# Altium PCB WiPy_Eval.PcbDoc (part 1 of 2) (continued)
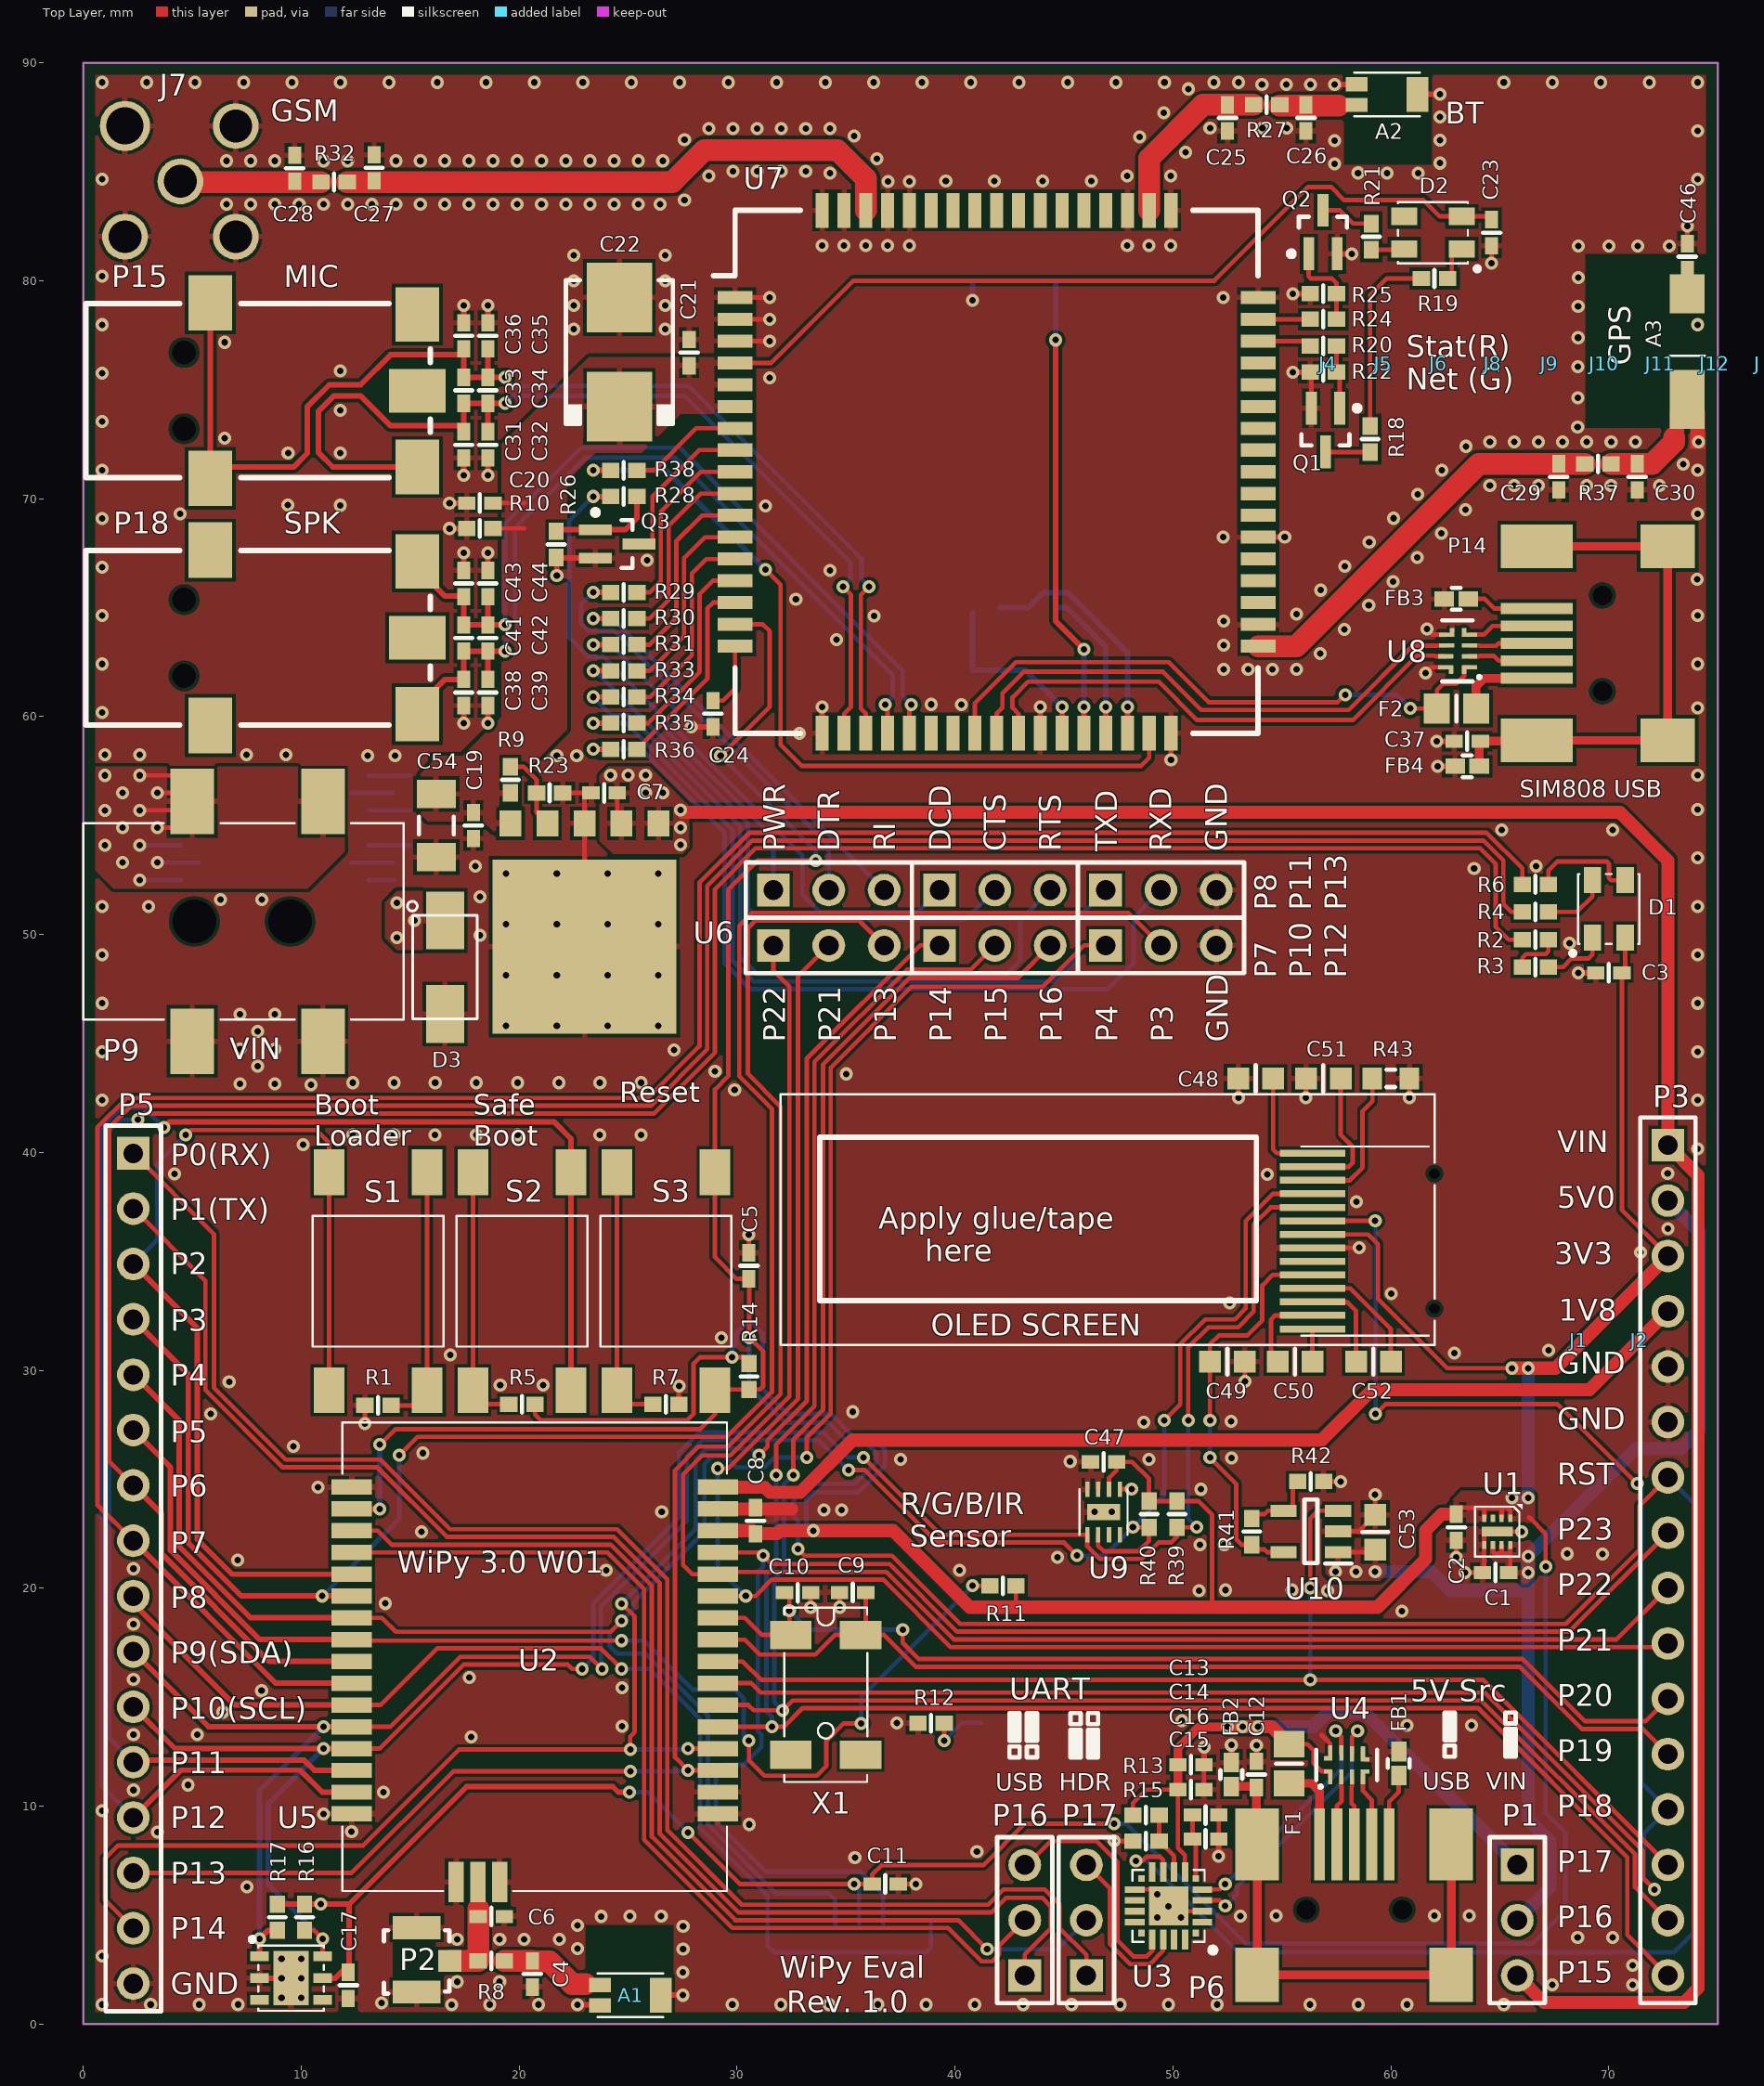
[diagram p0: Top Layer view]
## Components (designator, comment, footprint, x,y, rotation, side; value= is the part's Value field where it differs from the comment) (continued)
U7 "SIM808" SIM808 41.91,71.23 r0 top
U8 "ECMF02-4CMX8" uQFN-8 63.06,63.01 r180 top
U9 "BH1749NUC-E2" WSON-8_Clear 46.82,23.5 r0 top
U10 "AP2127K-ADJTRG1" SOT-23-5 56.33,22.61 r180 top
X1 "32.768 kHz" MC-306 34.071,15.113 r270 top

## Footprints (in the part's own frame and the unit in brackets; to place one, negate y for a bottom-side part, rotate by r counter-clockwise, add the part's x,y. Pads: shape width x height; smd on the part's side, far side on the other; paste and mask are expansions set on the pad)
"5.08 SMA" [mm] "5.08 SMA Standard Footprint"
  round 2.1 hole 1.5: 1(0,0) 3(2.54,-2.54) 4(-2.54,-2.54) 5(-2.54,2.54)
  round 2.3 hole 1.7: 2(2.54,2.54)
  body extent -3.5,-3.5 3.5,11, height 9.9
1301.9319 [mm]
  rect 2.1x1.4 smd: 1(-5,2.25) 1(5,2.25) 2(-5,-2.25) 2(5,-2.25)
  silkscreen extent -3,-3 3,3, body extent -4.5,-3.1 4.5,3.1, height 9.51
2920 [mm] "2920 imperial, 7.4x5.1mm"
  rect 4.3x5.6 smd: 1(-2.7,0)
  rect 4x5.6 smd: 2(2.7,0)
  body extent -3.99,-2.72 3.99,2.72, height 0.4
78000-0001 [mm] "micro SIM card socket"
  rect 0.8x0.9 smd: 1(-6.425,-2.57) 2(-6.425,-1.33) 3(-6.425,1.21) 8(8.515,1.21) 9(8.515,-1.33) 10(8.515,-2.57)
  rect 0.95x1.2 smd: 4(-6.655,5.425) 5(-6.655,-5.425)
  rect 1.4x0.95 smd: 6(6.655,-6.26) 7(6.655,6.26)
  silkscreen extent -8.48,-6.92 8.48,6.93, body extent -8.48,-6.92 8.48,6.93, height 1.3
1140084168 [mm] "Memory Card Connectors Micro SD 8 Pin PCB Gold"
  rect 0.7x1.75 smd: 1(3.2,-9.225) 2(2.1,-9.225) 3(1,-9.225) 4(-0.1,-9.225) 5(-1.2,-9.225) 6(-2.3,-9.225) 7(-3.4,-9.225) 8(-4.5,-9.225)
  rect 1.3x1 smd: 9(-5.715,0)
  rect 1x1.55 smd: 10(5.588,1.524)
  rect 0.8x1.5 smd: MH(-5.975,-1.5)
  rect 1.3x1.5 smd: MH(-5.7,-9.1)
  rect 1.5x1.5 smd: MH(5.65,-9.1)
  rect 0.8x1.4 smd: MH(5.969,-0.889)
  silkscreen extent -5.97,-9.82 5.97,1.78, body extent -6,-13.82 6,1.78, height 1.6
ANT3216_v2 [mm] "RF chip antenna in SMD 3216 metric package"
  rect 2.7x1.6 smd: 1(0,0)
  rect 1.8x1.6 smd: 2(4.85,0)
  silkscreen extent 2,-0.8 2,0.8, body extent 1.05,-0.8 4.25,0.8, height 1.2
CAP_TANT [mm]
  rect 3x3.2 smd: 1(0,0.8) 2(0,5.8)
  silkscreen extent -2.45,0 2.45,6.6, body extent -2.3,-0.4 2.3,7.2, height 3.1
CAPC1005N [mm] "Chip Capacitor, Body 1.0x0.5mm, IPC Medium Density"
  rect 0.8x0.6 smd: 1(-0.6,0) 2(0.6,0)
  silkscreen extent 0,-0.4 0,0.4, body extent -0.5,-0.25 0.5,0.25, height 0.6
CAPC1608N [mm] "Chip Capacitor, Body 1.6x0.8mm, IPC Medium Density"
  rect 1x1 smd: 1(-0.8,0) 2(0.8,0)
  silkscreen extent 0,-0.6 0,0.6, body extent -0.8,-0.4 0.8,0.4, height 0.9
CAPC3216N [mm] "Chip Capacitor, Body 3.2x1.6mm, IPC Medium Density"
  rect 1.3x1.8 smd: 1(-1.45,0) 2(1.45,0)
  silkscreen extent -0.4,-0.8 0.4,0.8, body extent -1.6,-0.8 1.6,0.8, height 1
DFN6 [mm] "vented dfn6 3x3mm"
  rect 1.6x2.5 smd: 0(0,0)
  rect 0.85x0.45 smd: 1(-1.45,1) 2(-1.45,0) 3(-1.45,-1) 4(1.45,-1) 5(1.45,0) 6(1.45,1)
  silkscreen extent -1.88,-1.5 1.5,1.88, body extent -1.5,-1.5 1.5,1.5, height 0.79
DO214 [mm]
  rect 2.65x1.75 smd: 1(-2.15,0) 2(2.15,0)
  silkscreen extent -2.37,-1.48 3.02,1.72, body extent -2.6,-1.36 2.6,1.36, height 2.54
FC68148S [mm] "DC barrel jack SMD"
  rect 3x2 smd: 1(-5.5,11) 1(-5.5,5) 2(5.5,5) 3(5.5,11)
  round 0 hole 2 unplated: ""(0,9.5) ""(0,5.1)
  silkscreen extent -4.5,0 4.5,14.7, body extent -6.28,0 6.28,14.7, height 10.94
HDR1X16 [mm] "Connector; Header; 16 Position"
  rect 1.5x1.5 hole 0.9: 1(0,0)
  round 1.5 hole 0.9: 2(2.54,0) 3(5.08,0) 4(7.62,0) 5(10.16,0) 6(12.7,0) 7(15.24,0) 8(17.78,0) 9(20.32,0) 10(22.86,0) 11(25.4,0) 12(27.94,0) 13(30.48,0) 14(33.02,0) 15(35.56,0) 16(38.1,0)
  silkscreen extent -1.27,-1.27 39.37,1.27, body extent -1.52,-1.27 39.62,1.27, height 8.5
"Header 1x3, Male, 2.54mm, Straight, THT" [mm]
  rect 1.5x1.5 hole 0.9: 1(-2.54,0)
  round 1.5 hole 0.9: 2(0,0) 3(2.54,0)
  silkscreen extent -3.81,-1.27 3.81,1.27, body extent -3.71,-1.25 3.91,1.25, height 9.4
INDC1005N [mm] "Chip Inductor, Body 1.0x0.5mm, IPC Medium Density"
  rect 0.9x0.7 smd: 1(-0.55,0) 2(0.55,0)
  silkscreen extent -0.2,-0.5 0.2,0.5, body extent -0.5,-0.25 0.5,0.25, height 0.6
JACK [mm]
  rect 2x2.6 smd: 1(0,15.2)
  rect 2.5x2 smd: 2(-3.5,15.2) 3(3.5,15.2)
  rect 2.55x2 smd: 4(-4.025,5.7) 4(4.025,5.7)
  round 0 hole 1.1 unplated: ""(-1.75,4.5) ""(1.75,4.5)
  silkscreen extent -4,0 4,15.8, body extent -4.57,-0.13 4.57,16.12, height 6.1
JUMPER-B [mm]
  body extent 22.9,-26.59 27.9,-24.19, height 8.6
MC-306 [mm]
  rect 1.3x1.9 smd: 1(-2.75,-1.6) 2(2.75,-1.6) 3(2.75,1.6) 4(-2.75,1.6)
  silkscreen extent -4,-1.91 4,1.91, body extent -4,-1.9 4,1.9, height 2.54
MUSB-B5-S-RA-TSMT-CS1 [mm] "USB B mini; SMT"
  rect 2.5x2 smd: 0(2.25,4.45) 0(2.25,-4.45)
  rect 3.3x2 smd: 0(8.25,-4.45) 0(8.25,4.45)
  rect 3.3x0.5 smd: 1(8.25,1.6) 2(8.25,0.8) 3(8.25,0) 4(8.25,-0.8) 5(8.25,-1.6)
  round 0 hole 0.9 unplated: 6(5.25,-2.2) 6(5.25,2.2)
  body extent -0.65,-5.35 8.55,5.35, height 3.95
PLCC-4 [mm] "LED; SMD; 3528,PLCC4; RGB; 3,5x2,8x1,9mm; 115°; 20mA; common anode"
  rect 0.8x1.2 smd: 1(-0.75,-1.32) 2(-0.75,1.32) 3(0.75,1.32) 4(0.75,-1.32)
  silkscreen extent -1.75,-2.13 1.4,1.6, body extent -1.4,-1.75 1.4,1.75, height 1.9
QFN-20 [mm]
  rect 0.3x0.3 smd: 1(-1.25,1.25) 6(-1.25,-1.25) 11(1.25,-1.25) 16(1.25,1.25)
  rect 0.9x0.3 smd: 2(-1.55,0.75) 3(-1.55,0.25) 4(-1.55,-0.25) 5(-1.55,-0.75) 12(1.55,-0.75) 13(1.55,-0.25) 14(1.55,0.25) 15(1.55,0.75)
  rect 0.3x0.9 smd: 7(-0.75,-1.55) 8(-0.25,-1.55) 9(0.25,-1.55) 10(0.75,-1.55) 17(0.75,1.55) 18(0.25,1.55) 19(-0.25,1.55) 20(-0.75,1.55)
  rect 1.8x1.8 smd: EP(0,0)
  silkscreen extent -2.16,-1.65 1.65,2.16, body extent -1.51,-1.51 1.51,1.51, height 0.75
RESC1005N [mm] "Chip Resistor, Body 1.1x0.5mm, IPC Medium Density"
  rect 0.8x0.7 smd: 1(-0.6,0) 2(0.6,0)
  silkscreen extent 0,-0.38 0,0.38, body extent -0.5,-0.25 0.5,0.25, height 0.35
RESC1608N [mm] "Chip Resistor, Body 1.6x0.8mm, IPC Medium Density"
  rect 0.9x1 smd: 1(-0.85,0) 2(0.85,0)
  silkscreen extent -0.2,-0.4 0.2,0.4, body extent -0.77,-0.42 0.78,0.43, height 0.45
RESC2012N [mm] "Chip Resistor, Body 2.0x1.3mm, IPC Medium Density"
  rect 1.2x1.4 smd: 1(-0.9,0) 2(0.9,0)
  silkscreen extent 0,-0.6 0,0.6, body extent -1.07,-0.7 1.07,0.7, height 0.65
REX012832FSPP3N00000 [mm] "Wyœwietlacz: OLED; graficzny; 0,91\"; 128x32; Wym:30x11,5x1,45mm"
  rect 3x0.32 smd: 1(0,0) 2(0,0.62) 3(0,1.24) 4(0,1.86) 5(0,2.48) 6(0,3.1) 7(0,3.72) 8(0,4.34) 9(0,4.96) 10(0,5.58) 11(0,6.2) 12(0,6.82) 13(0,7.44) 14(0,8.06)
  round 0 hole 0.5: MH(5.6,0.93) MH(5.6,7.13)
  silkscreen extent -24.4,-0.73 5.6,10.77
S-PAK-5 [mm] "5-Pin Package"
  rect 1x1.2 smd: 1(0,0) 2(1.7,0) 3(3.4,0) 4(5.1,0) 5(6.8,0)
  rect 8.45x8 smd: 6(3.4,5.655)
  body extent -1.3,-0.33 8.1,10.64, height 1.9
SIM808 [mm] "SIMCOM Q-Band GSM/GPRS, GPS L1, Bluetooth 3.0, uQFN"
  rect 1.6x0.6 smd paste-25.4 mask-25.4: 1(-12,8) 2(-12,7) 3(-12,6) 4(-12,5) 5(-12,4) 6(-12,3) 7(-12,2) 8(-12,1) 9(-12,0) 10(-12,-1) 11(-12,-2) 12(-12,-3) 13(-12,-4) 14(-12,-5) 15(-12,-6) 16(-12,-7) 17(-12,-8) 35(12,-8) 36(12,-7) 37(12,-6) 38(12,-5) 39(12,-4) 40(12,-3) 41(12,-2) 42(12,-1) 43(12,0) 44(12,1) 45(12,2) 46(12,3) 47(12,4) 48(12,5) 49(12,6) 50(12,7) 51(12,8)
  rect 0.6x1.6 smd paste-25.4 mask-25.4: 18(-8,-12) 19(-7,-12) 20(-6,-12) 21(-5,-12) 22(-4,-12) 23(-3,-12) 24(-2,-12) 25(-1,-12) 26(0,-12) 27(1,-12) 28(2,-12) 29(3,-12) 30(4,-12) 31(5,-12) 32(6,-12) 33(7,-12) 34(8,-12) 52(8,12) 53(7,12) 54(6,12) 55(5,12) 56(4,12) 57(3,12) 58(2,12) 59(1,12) 60(0,12) 61(-1,12) 62(-2,12) 63(-3,12) 64(-4,12) 65(-5,12) 66(-6,12) 67(-7,12) 68(-8,12)
  silkscreen extent -13,-12 12,12, body extent -12,-12.1 12,11.9, height 4.13
SOT323-3AM [mm] "SOT323, 3-Leads, Body 2.0x1.3mm, Pitch 0.65mm, Lead Span 2.1mm, IPC Low Density"
  rect 1.5x0.5 smd: 1(-1,0.65) 2(-1,-0.65) 3(1,0)
  silkscreen extent -1.12,-1.1 0.7,1.58, body extent -0.7,-1.1 0.7,1.1, height 1
SOT-23-5 [mm] "5 Leads, small outline package"
  rect 1.2x0.55 smd: 1(-1.25,0.95) 2(-1.25,0) 3(-1.25,-0.95) 4(1.25,-0.95) 5(1.25,0.95)
  silkscreen extent -1.85,-1.46 0.3,1.48, body extent -1.4,-1.46 1.4,1.46, height 1.45
U.FL-R-SMT-1(10) [mm] "U.FL-R-SMT-1(10)"
  rect 1x1.05 smd: 1(0,-1.525)
  rect 1.05x2.2 smd: 2(-1.425,0) 3(1.525,0)
  Top Layer pour cut-out: -0.8,1.1 -0.8,-0.9 0.9,-0.9 0.9,1.1
  silkscreen extent -1.5,-1.5 1.4,1.5, body extent -1.5,-1.55 1.5,1.55, height 1.25
uQFN-8 [mm]
  rrect20% 0.7x0.2 smd: 1(-0.55,0.75) 2(-0.55,0.25) 3(-0.55,-0.25) 4(-0.55,-0.75) 5(0.5,-0.75) 6(0.5,-0.25) 7(0.55,0.25) 8(0.55,0.75)
  rrect20% 0.2x0.4 smd: 1(-0.3,0.85) 4(-0.3,-0.85) 5(0.25,-0.85) 8(0.3,0.85)
  silkscreen extent -1.05,-1.4 0.7,1.4, body extent -0.6,-1.25 0.6,1.25, height 0.55
W3008 [mm]
  rect 1x0.65 smd mask+0: 1(-1.397,0.47) 3(-1.397,-0.47)
  rect 1x1.6 smd mask+0: 2(1.4,0)
  silkscreen extent -1.5,-1 1.5,1, body extent -1.6,-0.8 1.6,0.8, height 1
WiPy_W01 [mm]
  rect 0.7x1.85 smd: 1(-7.79,-8.4) 2(-6.79,-8.4) 3(-5.79,-8.4) 4(-4.79,-8.4) 5(-3.79,-8.4) 6(-2.79,-8.4) 7(-1.79,-8.4) 8(-0.79,-8.4) 9(0.21,-8.4) 10(1.21,-8.4) 11(2.21,-8.4) 12(3.21,-8.4) 13(4.21,-8.4) 14(5.21,-8.4) 15(6.21,-8.4) 16(7.21,-8.4) 20(7.21,8.4) 21(6.21,8.4) 22(5.21,8.4) 23(4.21,8.4) 24(3.21,8.4) 25(2.21,8.4) 26(1.21,8.4) 27(0.21,8.4) 28(-0.79,8.4) 29(-1.79,8.4) 30(-2.79,8.4) 31(-3.79,8.4) 32(-4.79,8.4) 33(-5.79,8.4) 34(-6.79,8.4) 35(-7.79,8.4)
  rect 1.85x0.7 smd: 17(10.325,-3.605) 18(10.325,-2.605) 19(10.325,-1.605)
  silkscreen extent -10.75,-8.82 10.75,8.82, body extent -10.67,-8.8 10.73,8.8, height 3.5
WSON-8_Clear [mm]
  rect 0.2x0.7 smd: 1(0.75,1.05) 2(0.25,1.05) 3(-0.25,1.05) 4(-0.75,1.05) 5(-0.75,-1.05) 6(-0.25,-1.05) 7(0.25,-1.05) 8(0.75,-1.05)
  rect 1.5x0.75 smd: EP(0,0)
  silkscreen extent -1.1,-1.05 1.1,1.05, body extent -1,-1 1,1, height 0.78
XDFN8 [mm] "XDFN8 1.6x1.2, 0.4P"
  rect 1.44x0.44 smd: 0(0,0)
  rect 0.2x0.35 smd: 1(-0.6,-0.61) 2(-0.2,-0.61) 3(0.2,-0.61) 4(0.6,-0.61) 5(0.6,0.61) 6(0.2,0.61) 7(-0.2,0.61) 8(-0.6,0.61)
  silkscreen extent -1.14,-1.27 1.02,1.14

## Part data
A1 A2: "Bluetooth / WLAN / WiFi  Ceramic Chip Antenna W x L x H (3.2 x 1.6 x 1.1 mm)", Manufacturer 1=PulseLarsen, Manufacturer Part Number 1=W3008, Supplier Part Number 1=673-W3008, Manufacturer 2=PulseLarsen, Manufacturer Part Number 2=W3008, Supplier 1=Mouser, Supplier 2=Farnell, Supplier Part Number 2=2897223
A3: library part RFECA3216060E0T, "1.575 GHz (GPS L1) 3 dBi SMD 50Ohm chip antenna, 3216 (metric) 3.2x1.6x0.6 mm", Frequency="1.575 GHz", Manufacturer 1=WALSIN, Package="3216 metric SMD", ComponentLink1Description=Datasheet, ComponentLink1URL=https://www.tme.eu/pl/Document/bb417917d175048d6475e6dbd5f68e1b/1-RFECA3216060E0T.pdf, Datasheet=https://www.tme.eu/pl/Document/bb417917d175048d6475e6dbd5f68e1b/1-RFECA3216060E0T.pdf, Impedance="50 Ohm", Manufacturer Part Number 1=RFECA3216060E0T, Supplier 1=TME, Supplier 1 Link=https://www.tme.eu/pl/details/rfeca3216060e0t/anteny-gps/walsin/, Supplier Part Number 1=RFECA3216060E0T
C1 C2 C7 C13 C15 C20: "0402 SMD Capacitor", Manufacturer 1=MURATA, Manufacturer Part Number 1=GRM155R60J225ME95D, Manufacturer Part Number 2=GRT155C80J225KE01D, MaxVoltage=6.3V, Supplier Part Number 1=2362091, Tolerance=10%, Manufacturer 2=MURATA, Supplier 1=Farnell, Supplier 2=Farnell, Supplier Part Number 2=2672104
C3 C8 C11 C12 C14 C16 C17 C19 C21 C23 C37 C40 C47: library part Capacitor, "0402 SMD Capacitor", Manufacturer 1=Samsung, Manufacturer 2=Multicomp, Manufacturer Part Number 1=CL05B104KO5NNNC, Manufacturer Part Number 2=MC0402B104K100CT, MaxVoltage=16V, Tolerance=10%, Supplier 1=TME, Supplier 2=Farnell, Supplier Part Number 1=CL05B104KO5NNNC, Supplier Part Number 2=2627343
C4 C6: "0402 SMD Capacitor"
C5: library part Capacitor, "0402 SMD Capacitor", Manufacturer 1=Multicomp, Manufacturer 2=AVX, Manufacturer Part Number 1=MC0402B101K250CT, Manufacturer Part Number 2=04025A101JAT2A, MaxVoltage=25V, Supplier Part Number 1=1758898, Tolerance=10%, Supplier 1=Farnell, Supplier 2=TME, Supplier Part Number 2=04025A101JAT2A
C9 C10 C31 C33 C35 C38 C41 C43: library part Capacitor, "0402 SMD Capacitor", Manufacturer 1=VISHAY, Manufacturer Part Number 1=VJ0402A100JXACW1BC, Manufacturer Part Number 2=VJ0402A100FXACW1BC, MaxVoltage=50V, Supplier Part Number 1=2896329, Tolerance=5%, Manufacturer 2=VISHAY, Supplier 1=Farnell, Supplier 2=TME, Supplier Part Number 2=VJ0402A100FXACW1BC
C22: library part "Cap Pol3", "Polarized Capacitor (Surface Mount)", Manufacturer 1=AVX, Manufacturer Part Number 1=TAJD337K006RNJ, Max Voltage=6.3V, Supplier Part Number 1=TAJD337K006R, Tolerance=10%, Supplier 1=TME
C24: "0402 SMD Capacitor", Manufacturer 1=Samsung, Manufacturer 2=MURATA, Manufacturer Part Number 1=CL05A225KQ5NSNC, Manufacturer Part Number 2=GRT155C80J225KE01D, MaxVoltage=6.3V, Tolerance=10%, Supplier 1=TME, Supplier 2=Farnell, Supplier Part Number 1=CL05A225KQ5NSNC, Supplier Part Number 2=2672104
C25 C26 C27 C28 C29 C30 C46: library part Capacitor, "0402 SMD Capacitor"
C32 C34 C36 C39 C42 C44: library part Capacitor, "0402 SMD Capacitor", Manufacturer 1=WALSIN, Manufacturer 2=MURATA, Manufacturer Part Number 1=0402N330J500CT, Manufacturer Part Number 2=GRM1555C1H330JA01D, MaxVoltage=50V, Supplier Part Number 1=2496802, Tolerance=5%, Supplier 1=Farnell, Supplier 2=TME, Supplier Part Number 2=GRM1555C1H330JA01D
C48 C49 C50 C51 C52 C53: "0603 imperial SMD Capacitor", Manufacturer 1=Samsung, Manufacturer Part Number 1=CL10B105KO8NNNC, MaxVoltage=16V, Tolerance=10%, Supplier 1=TME, Supplier Part Number 1=CL10B105KO8NNNC
C54: library part Capacitor, "0402 SMD Capacitor", Manufacturer 1=Samsung, Manufacturer Part Number 1=CL31A476MQHNNNE, MaxVoltage=6.3V, Supplier Part Number 1=CL05B104KO5NNNC, Tolerance=20%, Supplier 1=TME
D1 D2: library part ASMB-MTB1-0A3A2, "LED; SMD; 3528,PLCC4; RGB; 3,5x2,8x1,9mm; 115°; 20mA; Common anode", Manufacturer 1=BROADCOM, Supplier Part Number 1=2401106, Manufacturer 2=BROADCOM, Manufacturer Part Number 1=ASMB-MTB1-0A3A2, Manufacturer Part Number 2=ASMB-MTB1-0A3A2, Supplier 1=Farnell, Supplier 2=TME, Supplier Part Number 2=ASMB-MTB1-0A3A2
D3: "Schottky Diodes; Repetitive Reverse Voltage Max, Vrrm: 40V; Forward Current, If_AV_: 1A; Forward Voltage Max, VF: 0.5...", Package="DO-214 Multicomp", Supplier Part Number 1=1467537, Availability=Unavailable, MF=ON, MP=SS14, Price=None, SnapEDA_Link=https://www.snapeda.com/parts/SS14/ON%20Semiconductor/view-part/?ref=snap, Supplier 1=Farnell, Supplier 2=Mouser, Supplier Part Number 2=512-SS14
F1 F2: library part SD075-16, "PTC Fuse 750mA", Manufacturer 1=ECE, Manufacturer Part Number 1=SR075-06, Max Voltage=6V, Stand Current=750mA, Supplier 1=TME, Supplier Part Number 1=SR075-06
F3: library part SD075-16, "PTC Fuse 3A", Manufacturer 1="Bel Fuse", Manufacturer Part Number 1=0ZCG0300FF2B, Manufacturer Part Number 2=0ZCF0300AF2C, Max Voltage=6V, Stand Current=3A, Supplier Part Number 1=2834915, Manufacturer 2="Bel Fuse", Supplier 1=Farnell, Supplier 2=Mouser, Supplier Part Number 2=530-0ZCF0300AF2C
FB1 FB2 FB3 FB4: library part Inductor, "Ferrite Bead", Manufacturer 1=Murata, Manufacturer Part Number 1=BLM15PD121SN1D, Max Current=1.3A, Tolerance=25%, Manufacturer 2=Murata, Manufacturer Part Number 2=BLM15PD121SN1D, Supplier 1=TME, Supplier 2=Farnell, Supplier Part Number 1=BLM15PD121SN1D, Supplier Part Number 2=2443229
J1 J2 J3 J4 J5 J6 J8 J9 J10 J11 J12 J13: library part "Header Jumper Black", "1x2, 2.54mm Black header jumper", Manufacturer 1=Multicomp, Manufacturer 2=NINIGI, Manufacturer Part Number 1=MC-2228CG, Manufacturer Part Number 2=JUMPER-B, Supplier Part Number 1=2834673, Pin Count=0, SMD=No, Socket=No, Supplier 1=Farnell, Supplier 2=TME, Supplier Part Number 2=JUMPER-B
J7: library part RF2-03E-T-00-50-G, "SMA Female, 90 Angle, THT, Golded, Teflon Isolated", Supplier Part Number 1=SMA-15, ComponentLink1Description=Datasheet, ComponentLink1URL=https://www.tme.eu/pl/Document/74c53656b61e9bb3afb72f34f4091d2a/RF2-03E-T-00-50-G.pdf, Impedance="50 Ohm", Supplier 1=TME
J16: library part 78800-0001, "Molex 78800 Series Vertical Hinged Micro SIM Card Connector with SMT Termination", Manufacturer 1=Molex, Supplier Part Number 1=MX-78800-0001, ComponentLink1Description=Datasheet, ComponentLink1URL=https://www.tme.eu/pl/Document/cc8261bc3a30b5a758d5b370e59e3868/MX-78800-0001.pdf, Datasheet Link=https://componentsearchengine.com/Datasheets/1/78800-0001.pdf, Geometry.Height=1mm, Manufacturer 2=Molex, Manufacturer Part Number 1=78800-0001, Manufacturer Part Number 2=78800-0001, Supplier 1=TME, Supplier 2=Mouser, Supplier Part Number 2=538-78800-0001
"OLED SCREEN": library part REX012832FSPP3N00000, "Wyœwietlacz: OLED; graficzny; 0,91\"; 128x32; Wym:30x11,5x1,45mm", Manufacturer 1="RAYSTAR OPTRONICS", Supplier Part Number 1=REX012832FSPP3N0, Manufacturer Part Number 1=REX012832FSPP3N00000, Pin Count=14, Size="0.91\"", Supplier 1=TME
P1 P7 P8 P10 P11 P12 P13 P16 P17: "Pin header, 1x3, 2.54mm", Manufacturer 1=CONNFLY, Manufacturer Part Number 1=DS1021-1*3SF1-1, Supplier Part Number 1=ZL201-03G, Supplier 1=TME
P2: "Hirose UFL connector", Manufacturer 1=Hirose, Supplier Part Number 1=U.FL-R-SMT-1-10/C, Manufacturer Part Number 1=U.FL-R-SMT-1(10), Supplier 1=TME, Supplier 2=Farnell, Supplier Part Number 2=1688077
P3 P5: "Header, 16-Pin", Manufacturer 1=CONNFLY, Manufacturer 2=Harwin, Manufacturer Part Number 1=DS1023-1*16S21, Manufacturer Part Number 2=M20-7821646, Supplier Part Number 1=ZL262-16SG, Pin Count=17-Jul-2002, Supplier 1=TME, Supplier 2=Mouser, Supplier Part Number 2=855-M20-7821646
P4: library part 1140084168, "Memory Card Connectors Micro SD 8 Pin PCB Gold", Manufacturer 1=Amphenol, Supplier Part Number 1=2666772, Manufacturer 2=Amphenol, Manufacturer Part Number 1=1140084168, Manufacturer Part Number 2=1140084168, Pin Count=10, SMD=Yes, Socket=No, Supplier 1=Farnell, Supplier 2=Mouser, Supplier Part Number 2=523-114-00841-68
P6 P14: library part MUSB-B5-S-RA-TSMT-CS1, "Gniazdo; USB B mini; SMT; poziome; V: USB 2.0; z³ocony", Manufacturer 1="ADAM TECH", Supplier Part Number 1=MUSB-B5-S-RA-SMT, Manufacturer Part Number 1=MUSB-B5-S-RA-TSMT-CS1, Pin Count=5, SMD=Yes, Socket=No, Supplier 1=TME
P9: "Socket; Barrel jack DC; male; 5,5/2,1mm; SMD", Manufacturer 1=Cliff, Manufacturer Part Number 1="DC-10AS (FC68148S)", Max Current=2A, Max Voltage=12VDC, Supplier 1=TME, Supplier Part Number 1=FC68148S
P15 P18: library part Phonejack2, "Jack Socket, 1/4\" [6.5mm], Thru-Hole, Vertical, 2-Conductor Open Circuit", Manufacturer 1=LUMBERG, Manufacturer Part Number 1="1503 13 VP3", Supplier Part Number 1=1503-13VP3, ComponentLink1Description="Manufacturer Link", ComponentLink1URL=http://www.cliffuk.co.uk/, Supplier 1=TME
Q1 Q2 Q3: library part BC847AW.115, "Tranzystor: NPN; bipolarny; 45V; 200mA; 200mW; SOT323", Manufacturer 1=NEXPERIA, Manufacturer Part Number 1=BC847AW.115, Supplier 1=TME, Supplier Part Number 1=BC847AW.115
R1 R5 R7 R12 R16 R17 R20 R24 R28 R29 R30 R31 R33 R34 R35 R36 R38 R39 R40: "0402 Film SMD Resistor", Manufacturer 1="TE CONNECTIVITY", Manufacturer 2=VISHAY, Manufacturer Part Number 1=CRG0402J1K0, Manufacturer Part Number 2=CRCW04021K00FKTDBC, Power=0.1W, Supplier Part Number 1=1174154, Tolerance=1%, Supplier 1=Farnell, Supplier 2=TME, Supplier Part Number 2=CRCW04021K00FKTDBC
R2 R3 R4 R6 R18 R19 R21: "0402 Film SMD Resistor", Manufacturer 1="TE CONNECTIVITY", Manufacturer 2=YAGEO, Manufacturer Part Number 1=CRGCQ0402F150R, Manufacturer Part Number 2=RC0402FR-07150R, Power=0.1W, Supplier Part Number 1=2861390, Tolerance=1%, Supplier 1=Farnell, Supplier 2=TME, Supplier Part Number 2=RC0402FR-07150R
R8 R27 R32 R37: "0402 Film SMD Resistor", Manufacturer 1=Panasonic, Manufacturer Part Number 1=ERJ-2GE0R00X, Power=0.1W, Supplier Part Number 1=ERJ2GE0R00X, Tolerance=1%, Supplier 1=Farnell
R9 R42: "0402 Film SMD Resistor", Manufacturer 1="ROYAL OHM", Manufacturer Part Number 1=CQ02WGF1003TCE, Power=63mW, Supplier Part Number 1=CQ0402-100K-1%, Tolerance=1%, Supplier 1=TME
R10: "0402 Film SMD Resistor", Manufacturer 1="ROYAL OHM", Manufacturer Part Number 1=0402WGJ0471TCE, Power=63mW, Supplier Part Number 1=SMD0402-470R, Tolerance=5%, Supplier 1=TME
R11 R13 R14 R22 R25 R26: "0402 Film SMD Resistor", Manufacturer 1="TE CONNECTIVITY", Manufacturer 2=VISHAY, Manufacturer Part Number 1=CRGCQ0402F22K, Manufacturer Part Number 2=CRCW040222K0FKTDBC, Power=0.1W, Supplier Part Number 1=2861416, Tolerance=1%, Supplier 1=Farnell, Supplier 2=TME, Supplier Part Number 2=CRCW040222K0FKTDBC
R15: "0402 Film SMD Resistor", Manufacturer 1=MULTICOMP, Manufacturer 2="ROYAL OHM", Manufacturer Part Number 1=MCWR04X4702FTL, Manufacturer Part Number 2=0402WGF4702TCE, Power=0.1W, Supplier Part Number 1=2447179, Tolerance=1%, Supplier 1=Farnell, Supplier 2=TME, Supplier Part Number 2=SMD0402-47K-1%
R23: "0402 Film SMD Resistor", Manufacturer 1=Multicomp, Manufacturer 2="ROYAL OHM", Manufacturer Part Number 1=MCMR04X4302FTL, Manufacturer Part Number 2=0402WGF4302TCE, Power=63mW, Supplier Part Number 1=2073032, Tolerance=1%, Supplier 1=Farnell, Supplier 2=TME, Supplier Part Number 2=SMD0402-43K-1%
R41 R43: "0402 Film SMD Resistor", Manufacturer 1="ROYAL OHM", Manufacturer Part Number 1=0402WGF3903TCE, Power=63mW, Supplier Part Number 1=SMD0402-390K-1%, Tolerance=1%, Supplier 1=TME
S1 S2 S3: library part 1301.9319, "TACT; SPST-NO; 2 position; 0,05A/12VDC; SMT", Manufacturer 1=Schurter, Supplier Part Number 1=1217771, Manufacturer 2=Schurter, Manufacturer Part Number 1=1301.9319, Manufacturer Part Number 2=1301.9319, Pin Count=4, SMD=Yes, Socket=No, Supplier 1=Farnell, Supplier 2=TME, Supplier Part Number 2=1301.9319
U1: "3.3V 1A LDO Voltage Regulator", Manufacturer 1="ON SEMICONDUCTOR", Max Current=1A, Supplier Part Number 1=2507590, Dropout=95mV, Manufacturer Part Number 1=NCP186AMX330TAG, Supplier 1=Farnell, Supplier 2=Mouser, Supplier Part Number 2=863-NCP186AMX330TAG
U2: library part W01, "Wireless LAN Module, I2C, I2S, SPI, UART, M2M, Internet of Things", Manufacturer 1=Pycom, Supplier Part Number 1=2834998, Manufacturer 2=Pycom, Manufacturer Part Number 1=W01, Manufacturer Part Number 2=W01, Pin Count=35, SMD=Yes, Socket=No, Supplier 1=Farnell, Supplier 2=Mouser, Supplier Part Number 2=365-W01
U3: "USB Interface IC USBXpress - USB to UART Bridge QFN20", Manufacturer 1="SILICON LABS", Manufacturer Part Number 1=CP2102N-A01-GQFN20, Supplier Part Number 1=2577277, Manufacturer 2="SILICON LABS", Manufacturer Part Number 2=CP2102N-A01-GQFN20, Pin Count=20, SMD=Yes, Socket=No, Supplier 1=Farnell, Supplier 2=Mouser, Supplier Part Number 2=634-CP2102NA01GQFN20
U4 U8: "STMicroelectronics Common Mode Filter with ESD protection, USB compatible", Manufacturer 1=STMicroelectronics, Supplier Part Number 1=2629721, Manufacturer Part Number 1=ECMF02-4CMX8, Supplier 1=Farnell
U5: "I2C HUMIDITY AND TEMPERATURE SENSOR", Manufacturer 1="Silicon Labs", Supplier Part Number 1=2473658, Manufacturer 2="Silicon Labs", Manufacturer Part Number 1=SI7006-A20-IM, Manufacturer Part Number 2=SI7006-A20-IM, Supplier 1=Farnell, Supplier 2=Mouser, Supplier Part Number 2=634-SI7006-A20-IM
U6: library part MIC37302WR-TR, "IN: 2.25V to 6V / OUT: 1.24V to 5.5V / 3A, S-PAK-5 LDO Regulated", Manufacturer 1=MICROCHIP, Supplier Part Number 1=2857619, ComponentLink1Description="Farnell part", ComponentLink1URL=https://pl.farnell.com/microchip/mic37302wr-tr/ldo-adj-1-24-5-5v-3a-s-pak-5/dp/2857619, Datasheet=http://www.farnell.com/datasheets/665822.pdf?_ga=2.173704416.256501906.1547231577-1368645859.1543427250, Manufacturer 2=MICROCHIP, Manufacturer Part Number 1=MIC37302WR-TR, Manufacturer Part Number 2=MIC37302WR-TR, Supplier 1=Farnell, Supplier 2=Mouser, Supplier Part Number 2=998-MIC37302WRTR
U7: Manufacturer 1=Crestware, Manufacturer Part Number 1=SIM808, Supplier 1=TME, Supplier 2=Mouser, Supplier Part Number 1=SIM808, Supplier Part Number 2=713-113990112
U9: "Ambient Colour Sensor, Digital I2C Output, 650nm/540nm/450nm Peak Sense, 2.3V to 3.6V Supply, WSON-8", Manufacturer 1=ROHM, Supplier Part Number 1=2908648, Manufacturer 2=ROHM, Manufacturer Part Number 1=BH1749NUC-E2, Manufacturer Part Number 2=BH1749NUC-E2, Supplier 1=Farnell, Supplier 2=Mouser, Supplier Part Number 2=755-BH1749NUC-E2
U10: "0.4A, 0.8-5.5V, linear LDO, adjustable, SOT-23-5 package", Manufacturer 1="DIODES INCORPORATED", Supplier Part Number 1=TME, ComponentLink1Description=Datasheet, ComponentLink1URL=https://www.tme.eu/pl/Document/c6dd416f88a2434475547c25f5623504/AP2127.pdf, Manufacturer Part Number 1=AP2127K-ADJTRG1, Supplier 1=AP2127K-ADJTRG1
X1: library part "MC306 32.768000KHZ 12.5PF", "Standard Clock Oscillators 32,768kHz 20ppm -40C +85C", Manufacturer 1="Epson Timing", Supplier Part Number 1=32.768KHZ-MC306, Manufacturer 2="Epson Timing", Manufacturer Part Number 1="MC306 32.768000KHZ 12.5PF", Manufacturer Part Number 2="MC306 32.768000KHZ 12.5PF", SMD=Yes, Supplier 1=TME, Supplier 2=Farnell, Supplier Part Number 2=1216208

## Via types
v1: diameter 0.6, hole 0.3, Top Layer to Bottom Layer, tented both sides, 584 vias
v2: diameter 0.6, hole 0.3, Top Layer to Bottom Layer, tented bottom, 22 vias

## Nets (pads, with @x,y where several pads share a name; then routed paths per layer and width w, separated by ;. In a path a pad name is that pad's centre, name@x,y a point inside that pad or via, vN(x,y) a via of type N, cw(c..) or ccw(c..) an arc to the next point about the centre after c; other vN are vias at no path point)
1V8: P3.4 U2.35 | length 47.1
  Top Layer w0.6: U2.35@29.115,24.645 31.255,24.645 31.5,24.4 32.9,24.4 35.3,26.8 56.82,26.8 59.138,29.118 69.118,29.118 P3.4@72.71,32.71
3V3: "OLED SCREEN.8" C2.2 C3.2 C8.2 C11.2 C17.2 C47.2 D1.4 P3.3 P4.4 R5.2 R11.2 R14.2 R16.1 R17.1 R39.1 R40.1 U1.1 U1.2 U1.4 U2.33 U5.5 U9.2 | length 224.1
  Top Layer w0.203: R5.2@20.732,28.448 20.732,27.968 21,27.7 27.7,27.7 28,28 28,30.3 28.3,30.6 v1(29.772,30.6) 30.264,30.6 R14.2@30.546,30.318 ; v1(27.755,8.8) 30.124,6.431 v1(35.369,6.431) C11.2@36.2,6.431 36.2,6.863 36.637,7.3 41.3,7.3 43.2,9.2 v1(47.3,9.2) ; 42.8,19.215 R11.2@42.8,20.116 ; U9.2@47.07,24.55 47.07,25.07 47.42,25.42 C47.2@47.42,25.8 48.123,25.8 48.9,25.023 R40.1@48.9,24 R39.1@50.18,24 51.165,24 51.8,23.365 51.8,19.132 ; 56.4,36.24 58.96,36.24 59.407,35.793 59.407,33.283 62.59,30.1 v1(65.56,30.1) ; C2.2@63,23.7 64.3,23.7 ; U1.4@64.28,23.21 64.28,23.68 64.3,23.7 ; U1.2@65.08,23.21 65.08,23.68 65.1,23.7 ; U1.1@65.48,23.21 65.48,23.565 65.345,23.7 65.1,23.7 ; 66.345,23.255 67.1,22.5 v1(67.1,21) ; D1.4@70.746,49.851 70.746,48.386 C3.2@70.6,48.24 70.6,37.36 P3.3@72.71,35.25 ; 64.3,23.7 65.1,23.7
  Top Layer w0.254: R17.1@8.901,5.504 R16.1@10.156,5.504 v1(10.896,5.504) 12.2,5.504 ; U5.5@10.986,2.11 11.566,2.11 11.912,2.456 12.203,2.456 12.203,5.501 12.2,5.504 ; v1(25.059,10.645) 24.555,10.645 24.3,10.9 17.596,10.9 12.2,5.504
  Top Layer w0.6: U2.33@29.115,22.645 30.7,22.645 C8.2@30.845,22.5 31.845,22.5 31.99,22.645 v1(33.5,22.645) 37.155,22.645 40.668,19.132 51.8,19.132 59.388,19.132 61.6,21.344 61.6,22.66 62.34,23.4 C2.2@63,23.4 ; v1(65.56,30.1) v1(66.3,30.1) 67.56,30.1 P3.3@72.71,35.25
  Bottom Layer w0.203: v1(25.059,10.645) 25.91,10.645 v1(27.755,8.8) ; v1(29.772,30.6) 29.772,31.029 29.966,31.223 29.966,31.69 30.376,32.1 30.761,32.1 31.179,31.682 31.179,29.129 32.309,27.999 34.308,27.999 35.308,27 36.154,27 36.794,26.36 36.794,25.633 35.561,24.4 33.522,24.4 33.178,24.056 33.178,22.967 v1(33.5,22.645) ; v1(35.369,6.431) 35.6,6.2 P4.4@35.6,4.6 ; v1(47.3,9.2) 47.846,9.2 53.346,3.7 66.5,3.7 68,5.2 68,8.8 67.1,9.7 v1(67.1,21)
  Bottom Layer w0.6: v1(65.56,24.14) v1(66.3,24.14) v1(66.3,30.1) v1(65.56,30.1)
5V0: C1.2 C53.2 P1.2 P3.2 U1.6 U1.7 U1.8 U10.1 | length 51.1
  Top Layer w0.203: U10.1@57.58,21.66 59.16,21.66 C53.2@59.28,21.78 ; U1.6@64.68,21.99 64.68,21.68 64.76,21.6 65.1,21.6 ; U1.7@65.08,21.99 65.08,21.62 65.1,21.6 ; C1.2@65.4,20.72 65.48,20.8 65.48,21.6 ; U1.8@65.48,21.99 65.48,21.6 ; 65.1,21.6 65.48,21.6
  Bottom Layer w0.6: v1(59.28,20.756) 61.861,20.756 62.716,19.9 66.3,19.9 ; P1.2@65.8,4.77 67.3,6.27 67.3,8.4 66.3,9.4 66.3,19.9 ; P3.2@72.71,37.79 74.15,36.35 74.15,27.25 73.3,26.4 71.237,26.4 66.3,21.463 v1(66.3,21.46) v1(66.3,20.72) 66.3,19.9
  other v1: 57.453,20.756 58.4,20.756
ADC1: P5.14 P7.3 U2.22 | length 78
  Top Layer w0.203: P5.14@2.3,6.94 12.318,6.94 16.978,11.6 v1(25.1,11.6) ; U2.22@29.115,11.645 v1(27.755,11.645) 27.156,12.244 27.156,25.42 28.236,26.5 29.594,26.5 32,28.906 32,42.103 30.5,43.603 30.5,50.297 30.847,50.645 35.606,50.645 P7.3@36.75,49.5
  Bottom Layer w0.203: v1(25.1,11.6) 27.71,11.6 v1(27.755,11.645)
ADC2: P5.15 P10.1 U2.23 | length 79.6
  Top Layer w0.203: P5.15@2.3,4.4 1,5.7 1,7.6 1.6,8.2 12.842,8.2 17.242,12.6 v1(25.1,12.6) 25.1,13.2 25.3,13.4 25.3,18.7 v1(24.7,19.3) ; v1(27.755,12.645) U2.23@29.115,12.645 ; v1(31,26.1) 31.4,26.5 31.4,26.792 33.2,28.592 33.2,44.3 38.4,49.5 P10.1@39.29,49.5
  Bottom Layer w0.203: v1(24.7,19.3) 24.7,19.303 28.1,22.703 28.1,25.9 28.61,26.41 30.635,26.41 30.945,26.1 v1(31,26.1) ; v1(25.1,12.6) 27.71,12.6 v1(27.755,12.645)
ADC3: P3.16 P10.2 U2.24 | length 93.2
  Top Layer w0.203: U2.24@29.115,13.645 v1(31.6,13.645) ; v1@31.6,13.72 v1(31.6,13.645) ; v1(31.8,25.2) 31.8,26.6 33.556,28.356 33.556,44.153 37.803,48.4 40.73,48.4 P10.2@41.83,49.5 ; P3.16@72.71,2.23 70.844,4.096 70.844,7.656 64,14.5 33,14.5 32.145,13.645 v1(31.6,13.645)
  Bottom Layer w0.203: v1(31.6,13.645) 31.6,14.1 31.352,14.348 31.352,20.652 31.8,21.1 v1(31.8,25.2)
ADC4: P3.15 P10.3 U2.25 | length 92.4
  Top Layer w0.203: U2.25@29.115,14.645 30.515,14.645 30.76,14.4 v1(32.1,14.4) 32.556,14.856 64.147,14.856 71.2,7.803 71.2,6.28 P3.15@72.71,4.77 ; v1(32.583,25.2) 32.583,26.827 33.944,28.189 33.944,44.039 37.906,48 42.87,48 P10.3@44.37,49.5
  Bottom Layer w0.203: v1(32.1,14.4) 31.707,14.793 31.707,20.407 32.156,20.856 32.156,24.772 v1(32.583,25.2)
BOOTLOADER: P5.3 S1.2 U2.5 | length 46.8
  Top Layer w0.203: v1(4.7,40.8) 4.927,41.027 10.7,41.027 11.278,40.449 S1.2@11.278,39.092 S1.2@11.278,29.092
  Top Layer w0.254: P5.3@2.3,34.88 5.226,31.954 5.226,22.25 6.831,20.645 U2.5@12.315,20.645
  Bottom Layer w0.203: P5.3@2.3,34.88 3.4,35.98 3.4,39.5 v1(4.7,40.8)
"BT ANTENNA": C25.2 R27.2 U7.53 | length 8.2
  Top Layer w1: U7.53@48.91,83.23 48.91,85.61 51.37,88.07 C25.2@52.5,88.07 R27.2@53.7,88.07
CON_RX: P5.1 P17.1 | length 72
  Top Layer w0.203: P5.1@2.3,39.96 6,36.26 6,29.203 9.294,25.909 13.644,25.909 16.841,22.712 24.499,22.712 26.8,20.411 26.8,8.9 30.219,5.481 41.518,5.481 42.218,6.181 44.122,6.181 44.8,5.503 44.8,4.4 46.03,3.17 P17.1@46.03,2.23
CON_TX: P5.2 P16.1 | length 69.3
  Top Layer w0.203: P5.2@2.3,37.42 5.607,34.113 5.607,29.093 9.146,25.554 13.496,25.554 16.694,22.356 24.352,22.356 26.444,20.264 26.444,8.753 30.071,5.126 41.666,5.126 42.34,5.8 44,5.8 44.4,5.4 44.4,4.4 43.2,3.2 P16.1@43.2,2.23
CTS: R33.1 U7.12 | length 9.2
  Top Layer w0.203: R33.1@25.4,62.1 25.989,62.1 27.571,63.682 27.571,67.271 28.53,68.23 U7.12@29.91,68.23
DAC1: P3.9 P7.1 U2.31 | length 79.2
  Top Layer w0.203: P7.1@31.67,49.5 31.67,48.33 32.4,47.6 32.4,28.803 29.697,26.1 28.4,26.1 27.521,25.221 27.521,21.079 27.955,20.645 U2.31@29.115,20.645 29.226,20.756 36.847,20.756 39.947,17.656 70.356,17.656 P3.9@72.71,20.01
DAC2: P3.10 P7.2 U2.30 | length 78
  Top Layer w0.203: U2.30@29.115,19.645 v1(30.4,19.645) 30.845,19.645 31.6,20.4 36.7,20.4 39.8,17.3 72.54,17.3 P3.10@72.71,17.47 ; v1(29.115,25.5) 29.6,25.5 32.8,28.7 32.8,48.09 P7.2@34.21,49.5
  Bottom Layer w0.203: v1(29.115,25.5) 29.115,20.93 v1(30.4,19.645)
DCD: R31.1 U7.11 | length 9
  Top Layer w0.203: R31.1@25.4,63.3 26,63.3 27.215,64.515 27.215,68.053 28.392,69.23 U7.11@29.91,69.23
DISP_LIGHT: P3.14 U2.27 U10.3 | length 56.3
  Top Layer w0.203: U2.27@29.115,16.645 30.255,16.645 31.1,15.8 v1(56.3,15.8) 64.22,15.8 P3.14@72.71,7.31 ; v1(56.3,20.01) 56.3,23.2 56.66,23.56 U10.3@57.58,23.56
  Bottom Layer w0.203: v1(56.3,15.8) v1(56.3,20.01)
DISP_RSTN: "OLED SCREEN.9" P3.13 U2.26 | length 92.9
  Top Layer w0.203: U2.26@29.115,15.645 30.655,15.645 31.089,15.211 64.306,15.211 71.556,7.962 71.556,6.725 v1(72.1,6.181) ; 56.4,36.86 v1(59.28,36.86) ; v1(59.3,28) 59.748,28.448 67.652,28.448 v1(71.3,24.8)
  Bottom Layer w0.203: v1(59.3,28) v1@59.3,36.8 ; v1(71.3,24.8) 71.5,24.6 71.5,11.06 P3.13@72.71,9.85 71.6,8.74 71.6,6.681 v1(72.1,6.181)
DTR: R29.1 U7.9 | length 8.7
  Top Layer w0.203: R29.1@25.4,65.7 26,65.7 26.504,66.204 26.504,69.404 28.33,71.23 U7.9@29.91,71.23